# Altium PCB Time4CM4_Modular.PcbDoc (part 1 of 2)
Units mil, origin at the board's own origin, x right, y up, seen from the top; angles counter-clockwise.
Board outline 2171 x 2100.88 mil, 4 copper layers (Top Layer, Int1 (GND), Int2 (PWR), Bottom Layer), stack 61.418 mil thick; 36 components, 160 nets, 586 pads, 420 vias.
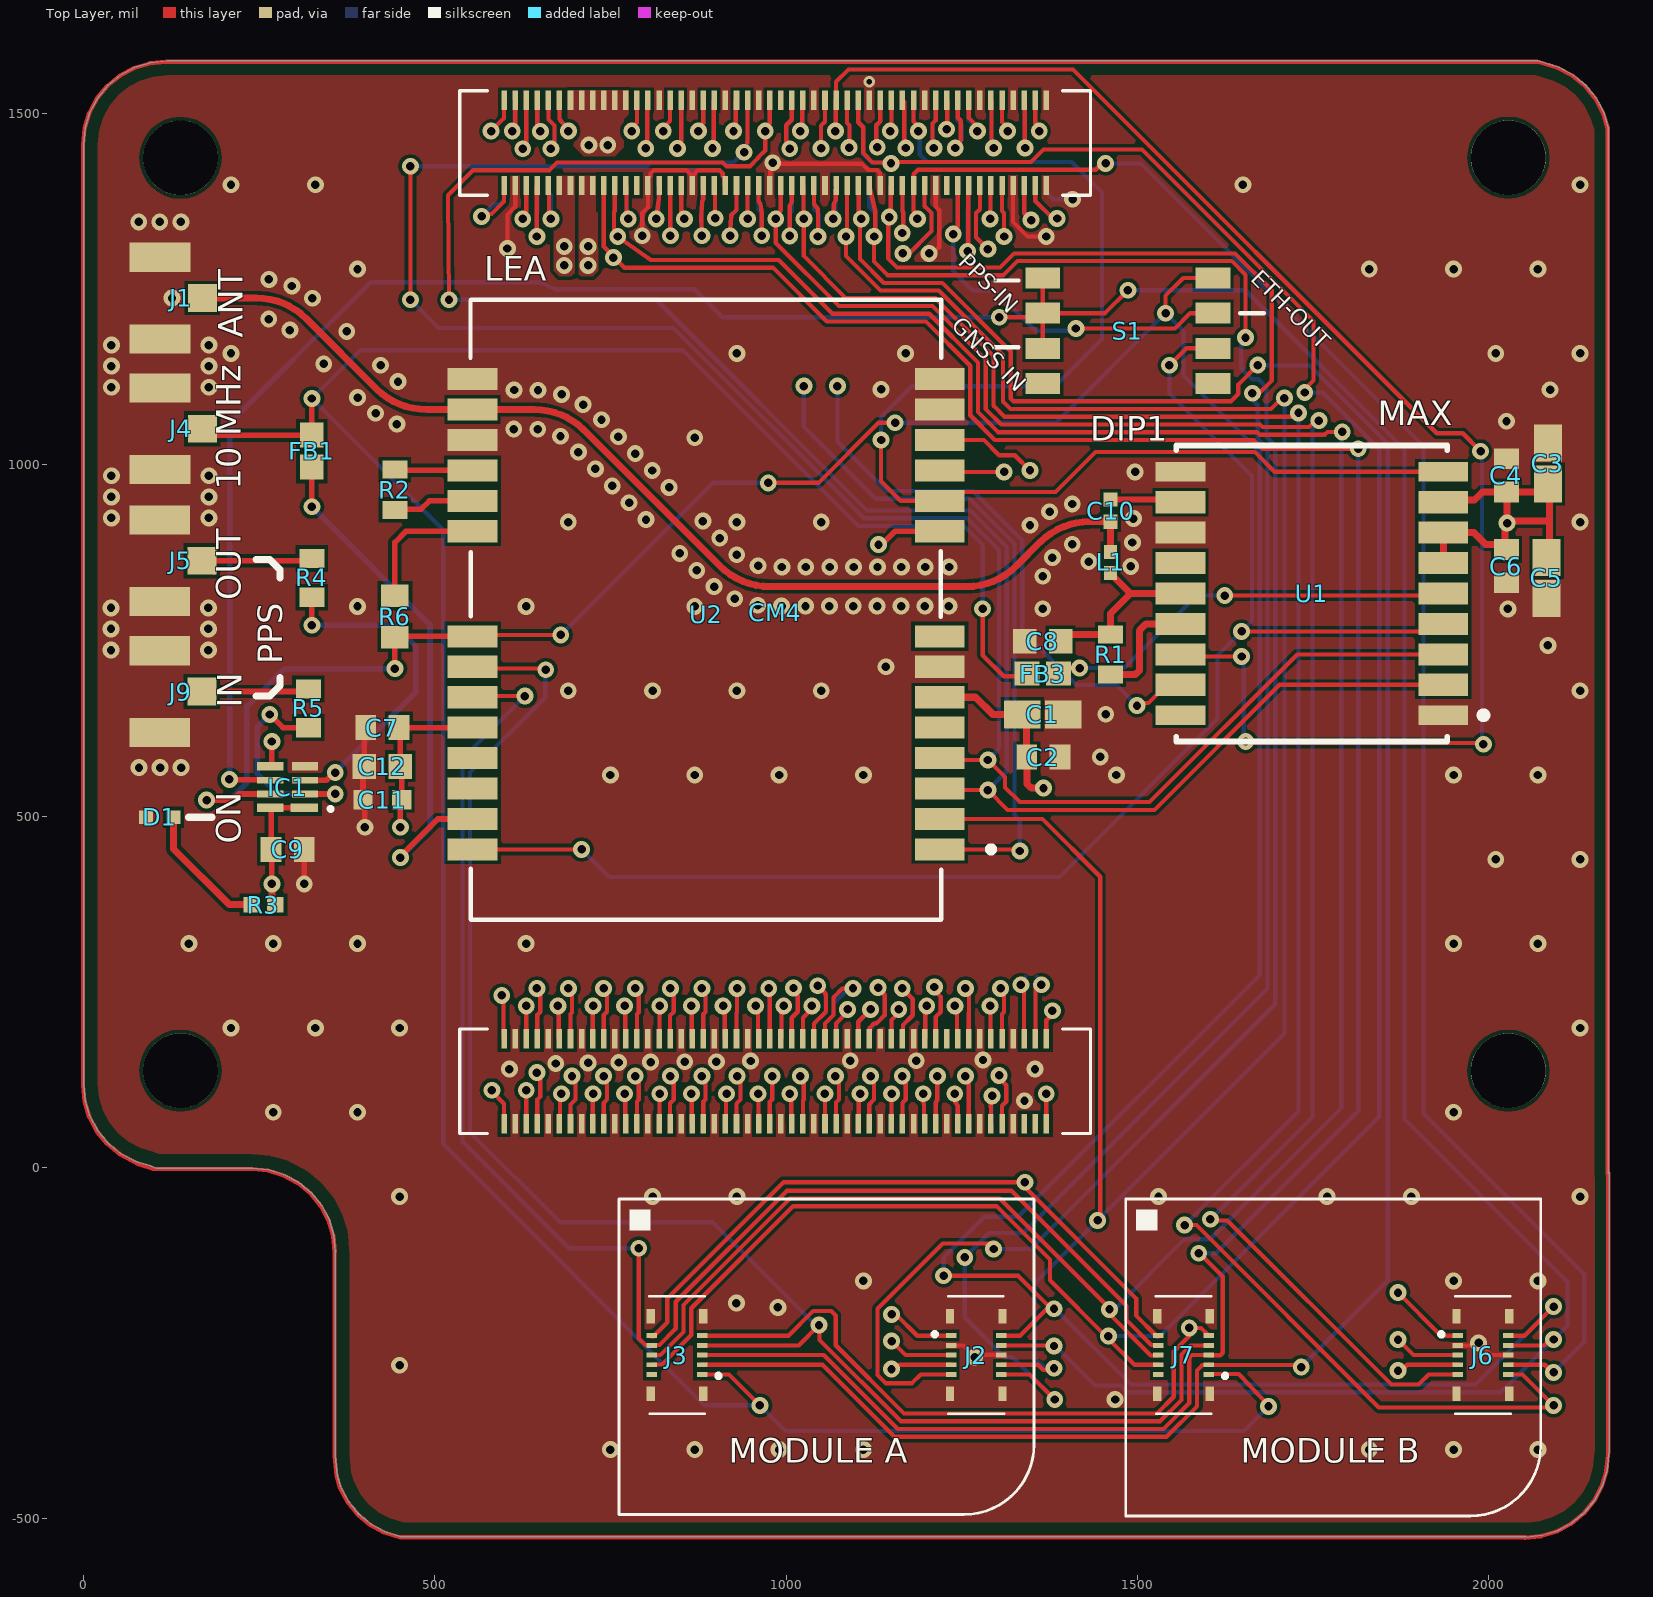
[diagram p0: Top Layer view]
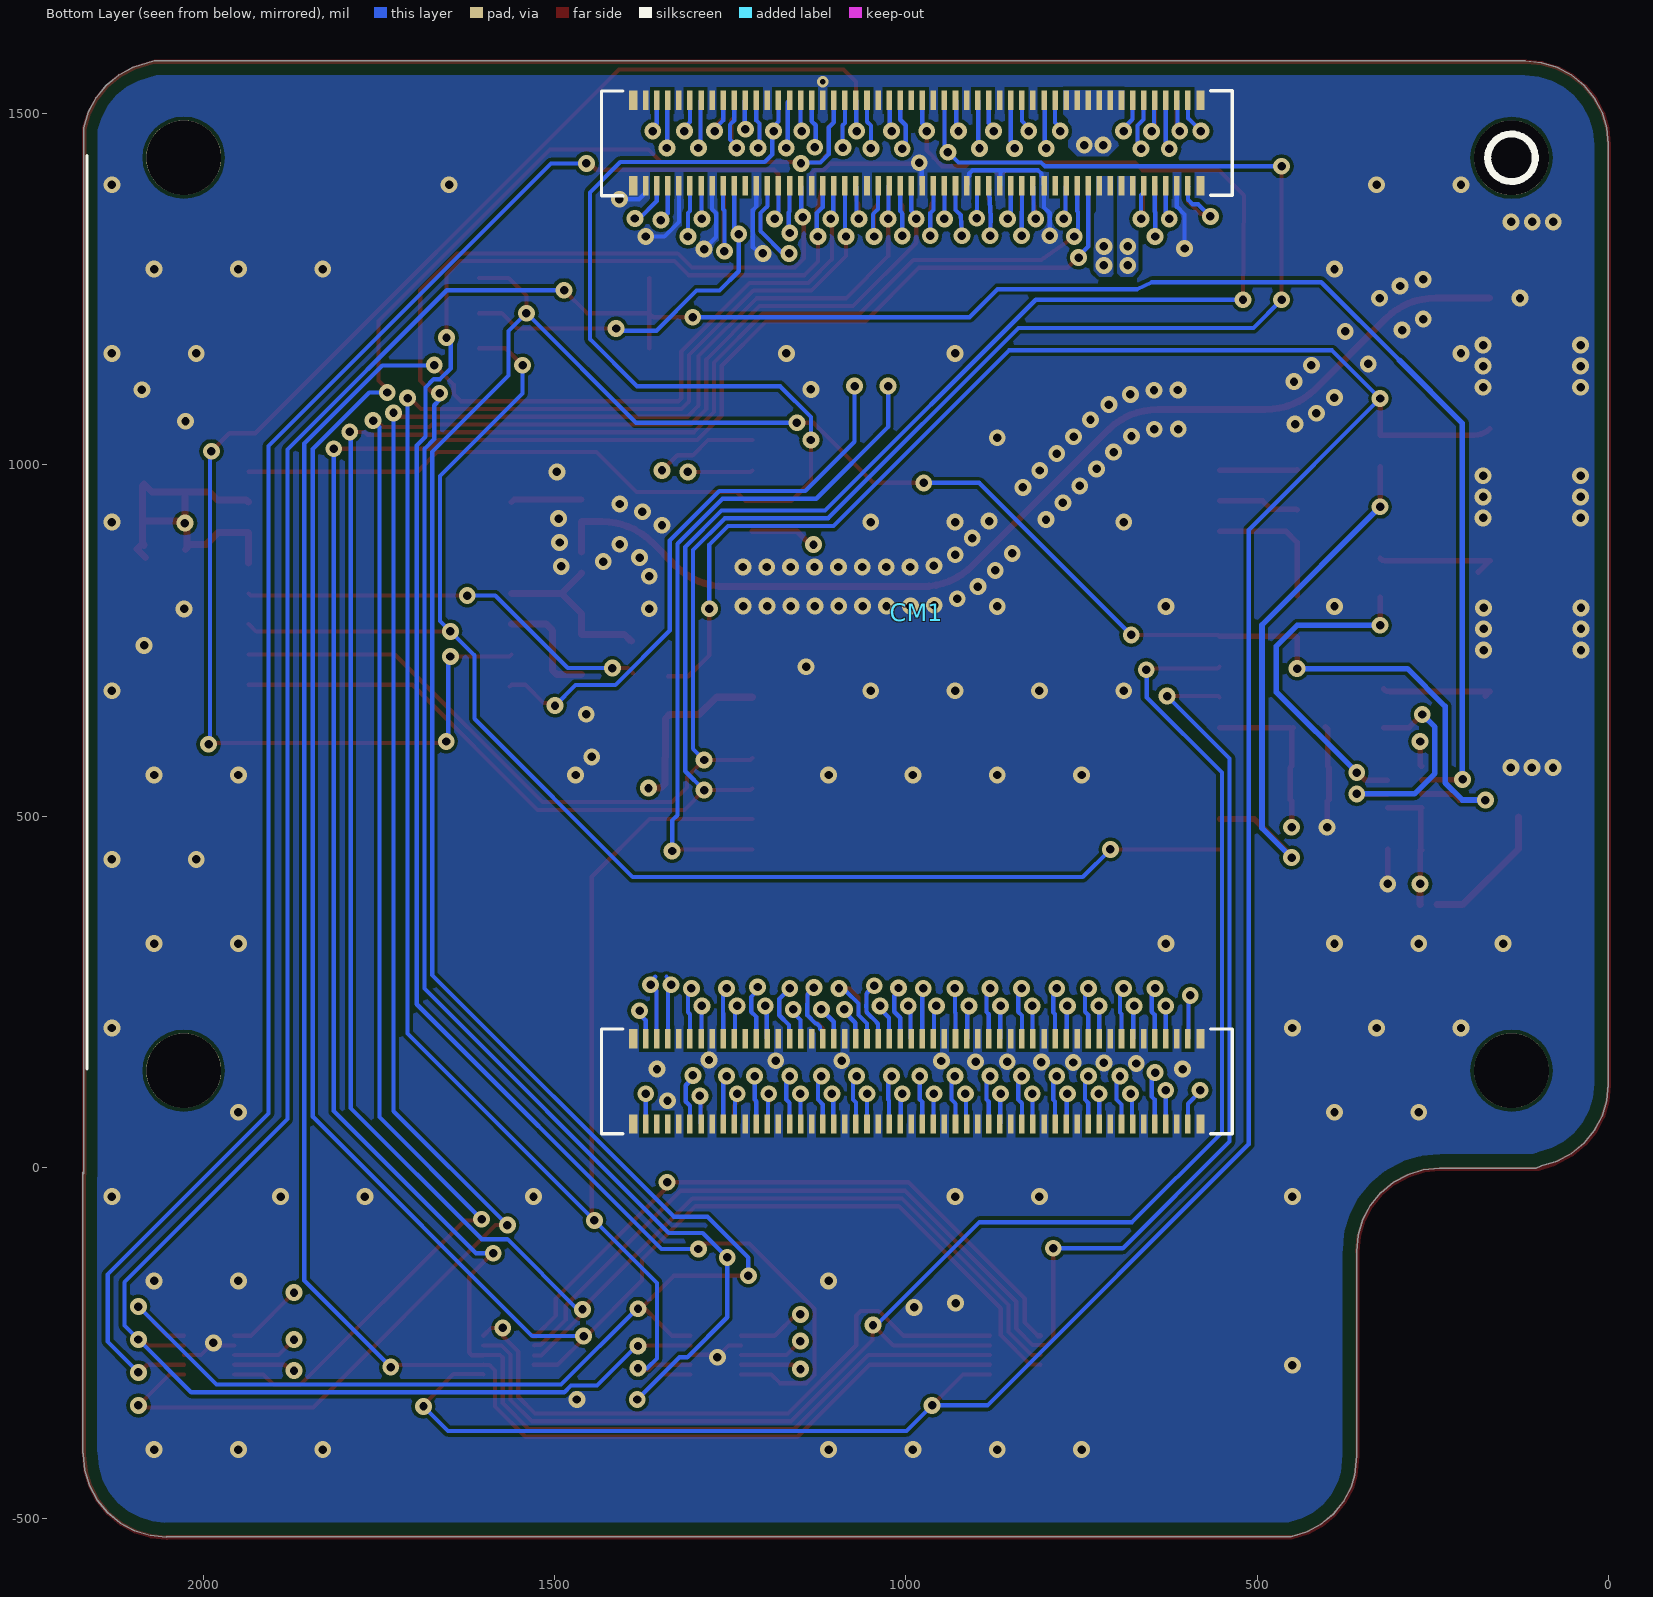
[diagram p1: Bottom Layer view, seen from below]
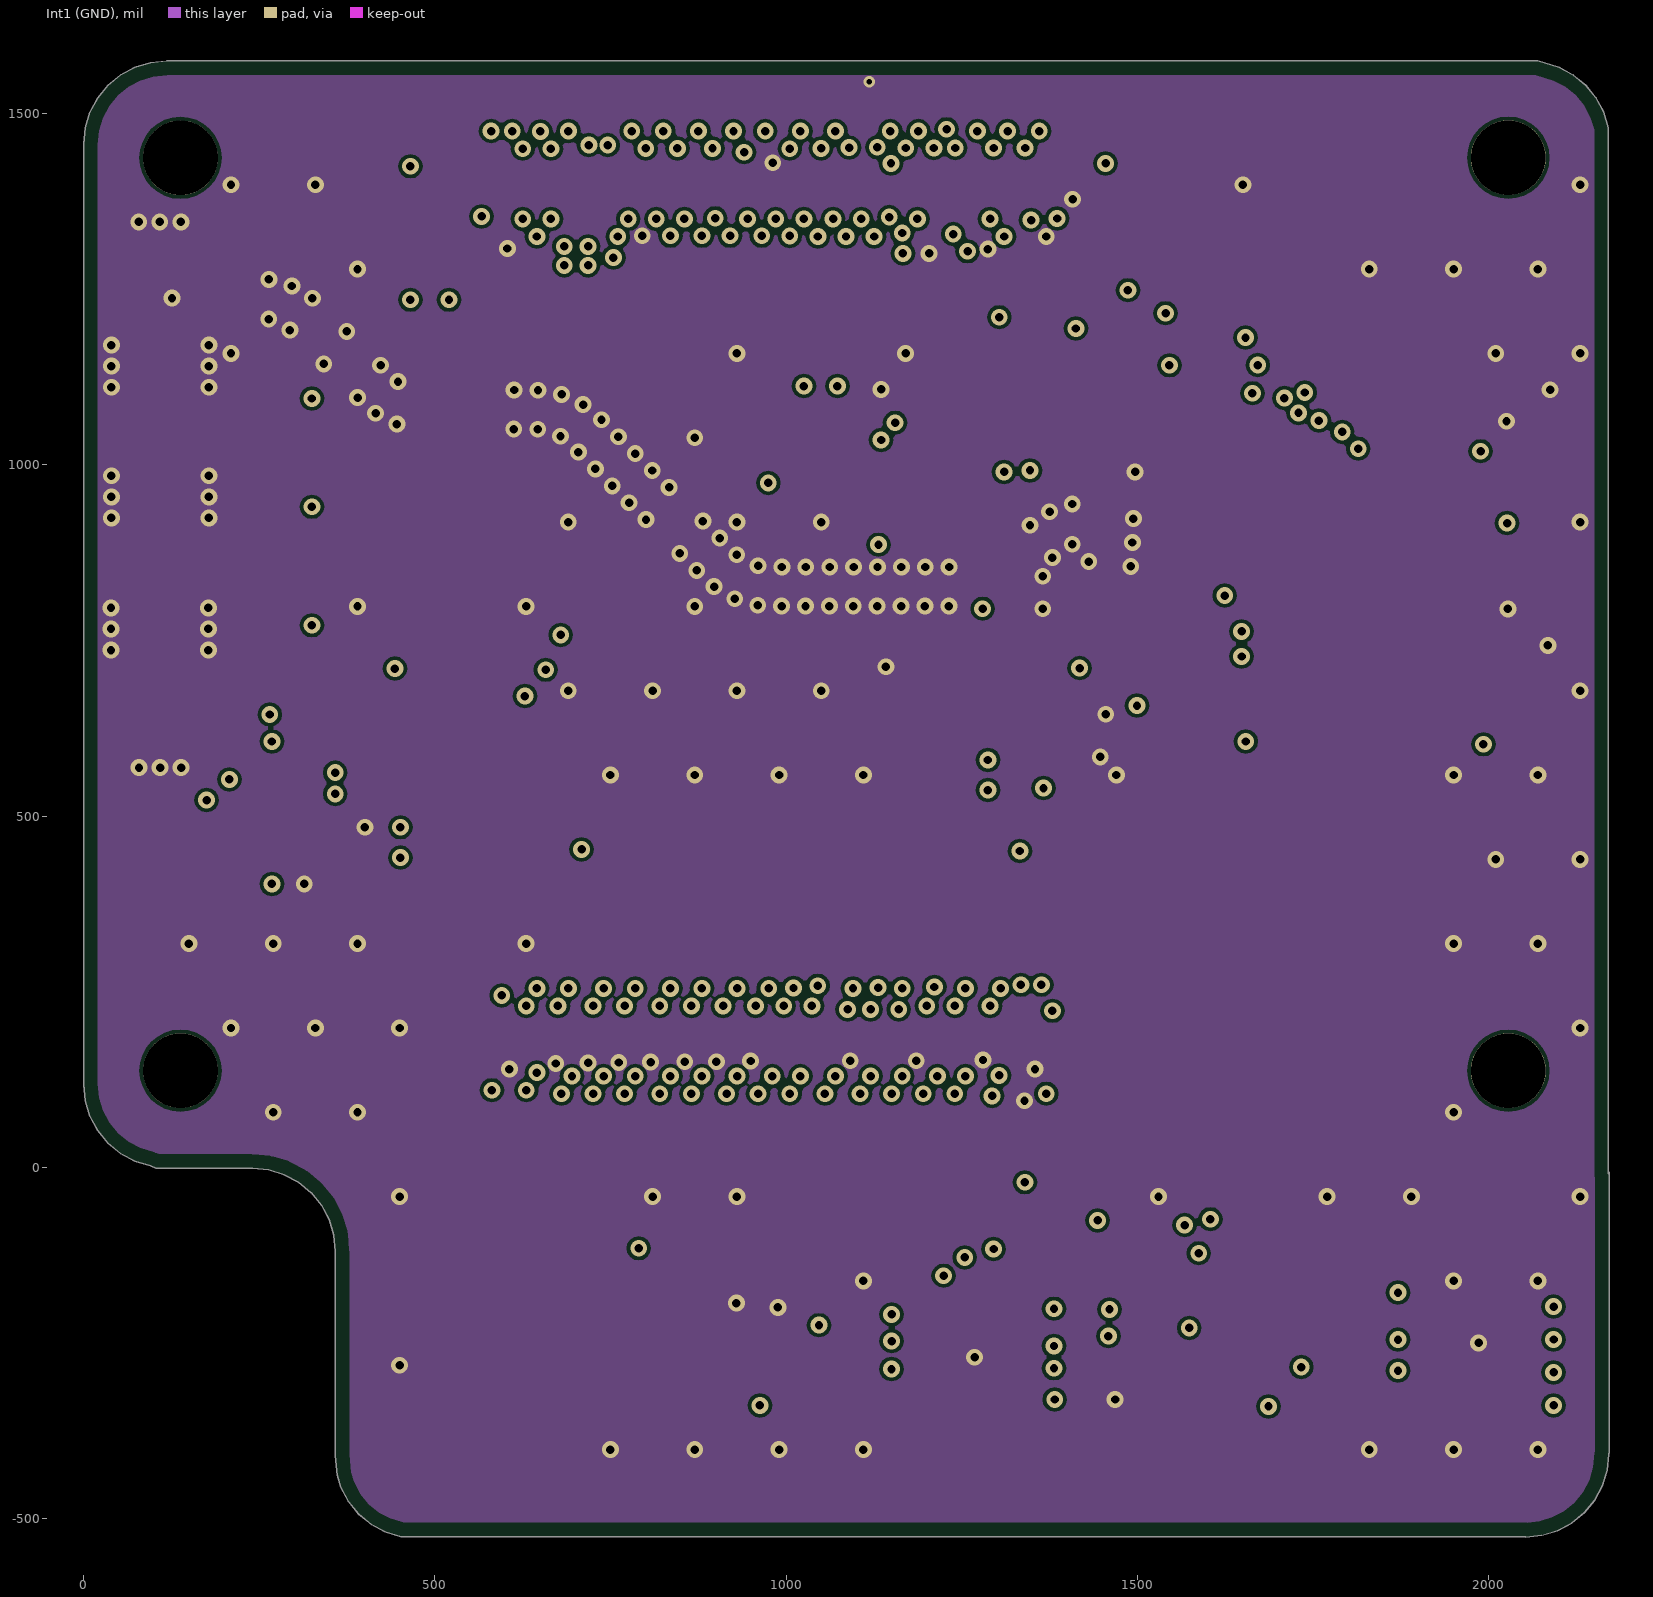
[diagram p2: Int1 (GND)]
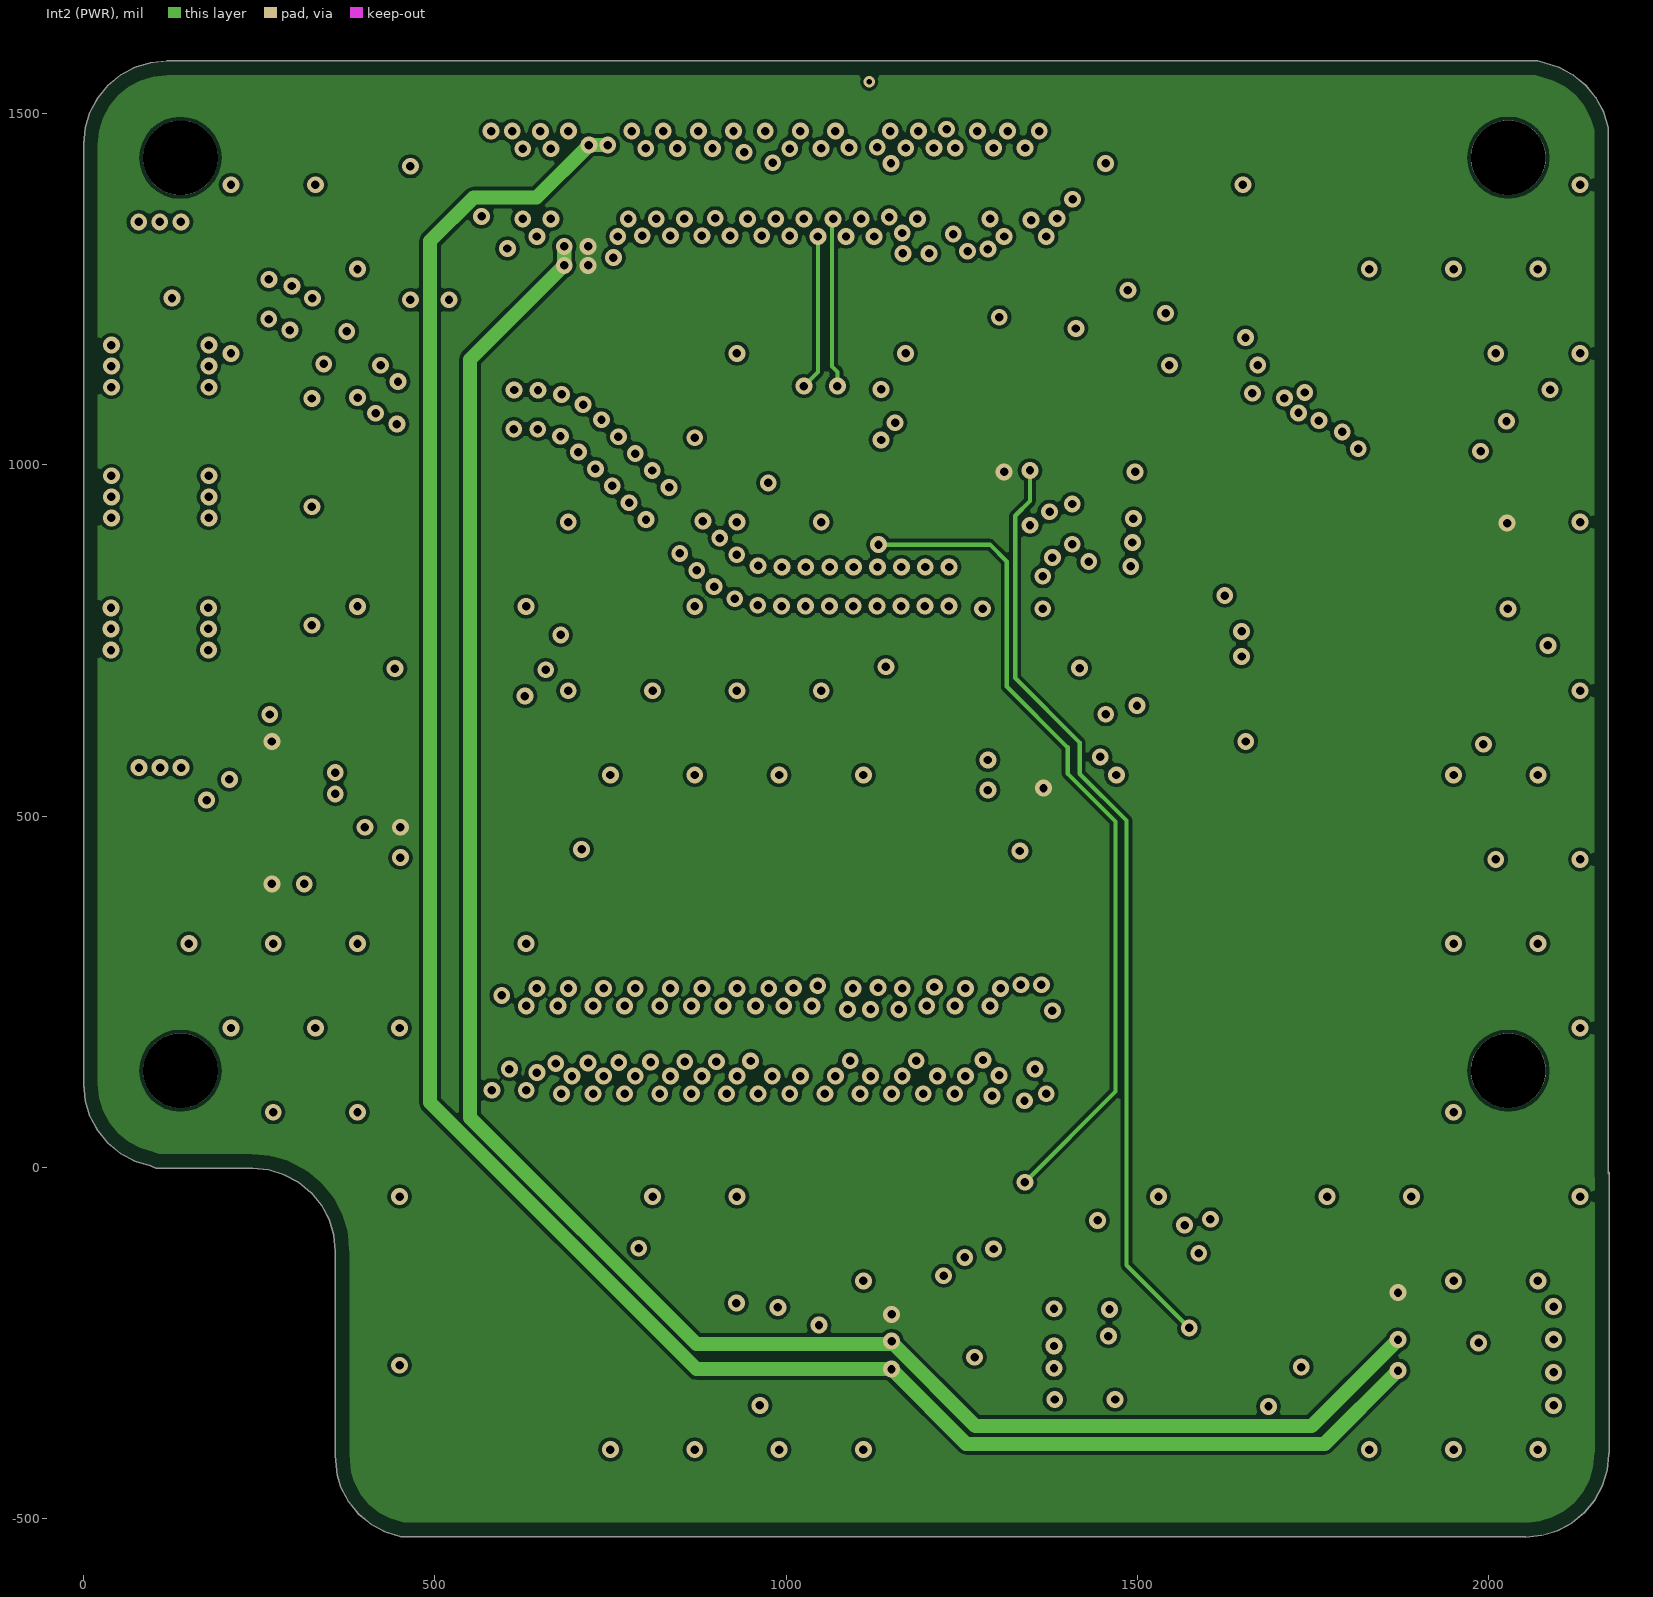
[diagram p3: Int2 (PWR)]
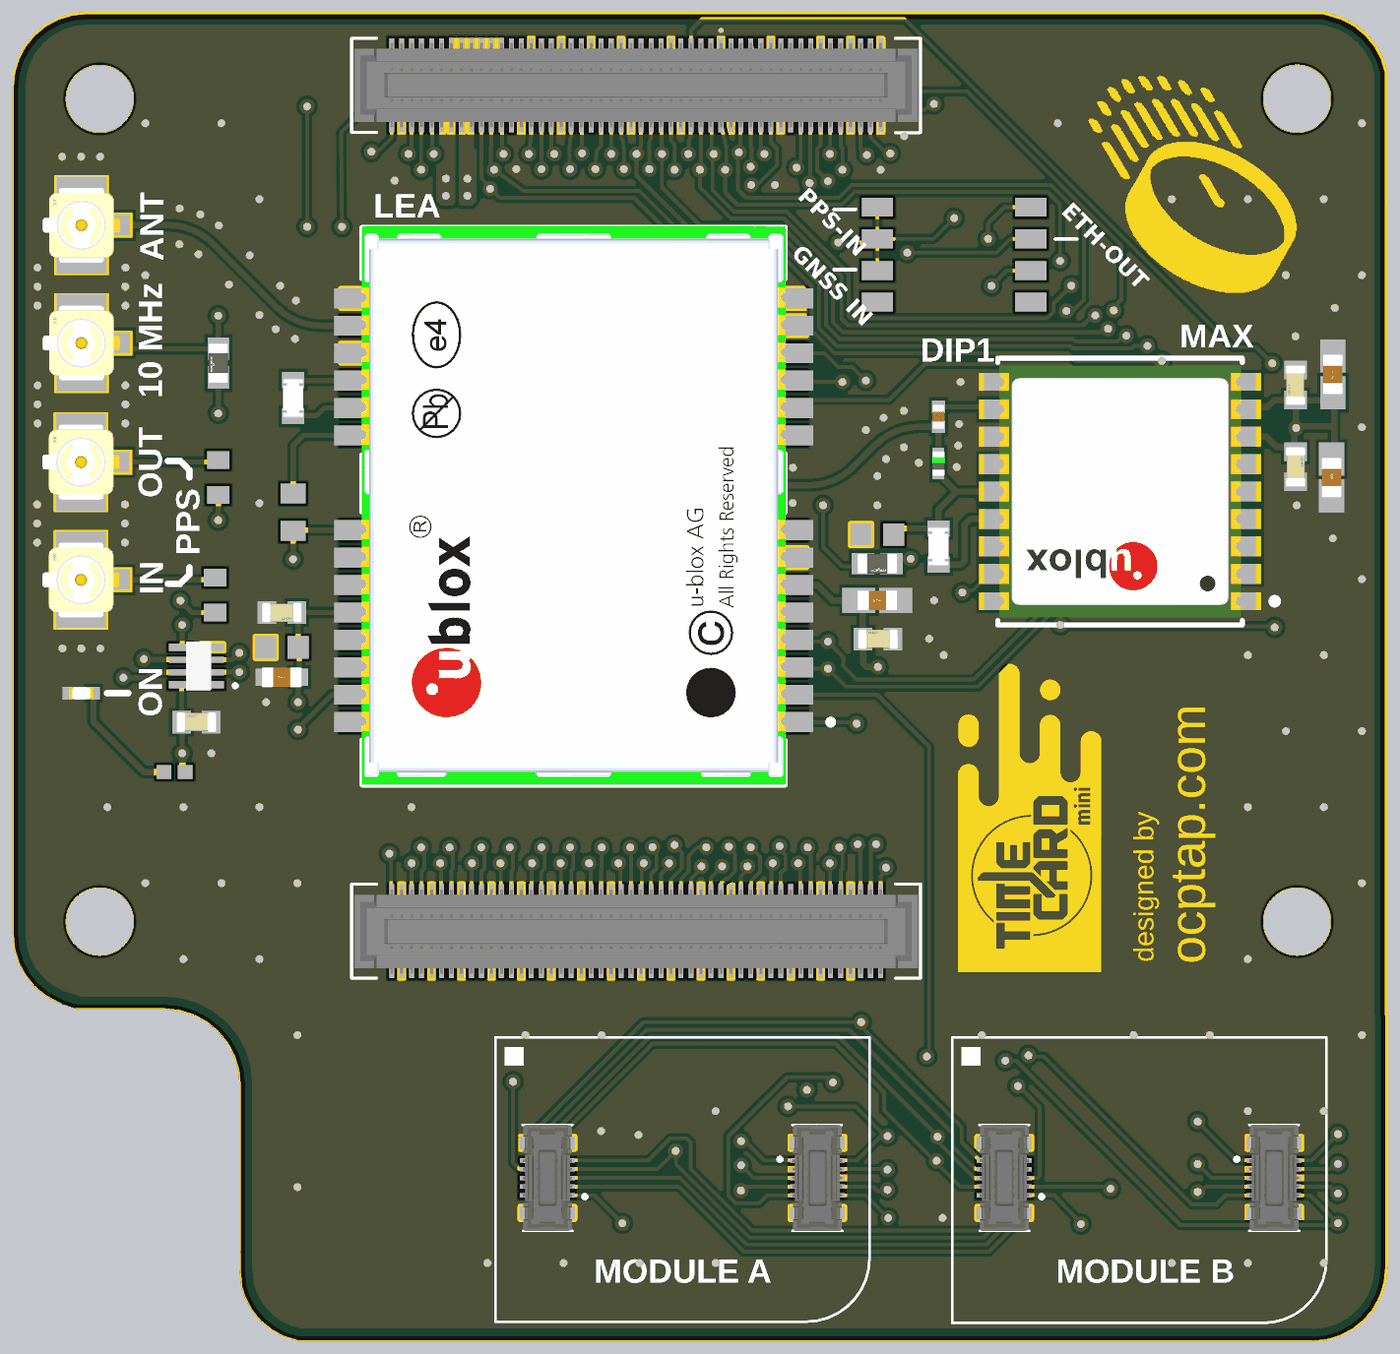
[diagram p5: 3D render of the assembled board from above, using the file's embedded part models]

## Layer stack, top to bottom
Top Solder: solder mask 1, SM-001, Dk 4
Top Layer: signal copper 1.378
Dielectric 1: prepreg 2.1654, PP-017, Dk 4.3
Dielectric 2: prepreg 2.1654, PP-017, Dk 4.3
Int1 (GND): signal copper 1.378
Dielectric 3: core 47.244, Core-039, Dk 4.8
Int2 (PWR): signal copper 1.378
Dielectric 4: prepreg 2.1654, PP-017, Dk 4.3
Dielectric 5: prepreg 2.1654, PP-017, Dk 4.3
Bottom Layer: signal copper 1.378
Bottom Solder: solder mask 1, SM-001, Dk 4

## Board outline
72.91,8.99 95.07,2.27 103,-1 240.27,-0.93 240.27,-1.2 263.31,-3.47 285.47,-10.19 305.89,-21.1 323.78,-35.79 338.47,-53.69 349.39,-74.11 356.11,-96.27 358.38,-119.31 358,-119.31 358,-409.89 360.75,-437.82 365.99,-455.09 376.91,-475.51 391.59,-493.41 409.49,-508.1 428.62,-518.32 451.64,-525.3 2052.27,-525.3 2052.27,-526 2075.31,-523.73 2097.47,-517.01 2117.89,-506.1 2135.78,-491.41 2150.47,-473.51 2161.39,-453.09 2168.11,-430.93 2170.38,-407.89 2171,-405.58 2171,-7 2170.11,-8.62 2170.11,1479.73 2163.39,1501.89 2152.47,1522.31 2137.78,1540.21 2119.89,1554.9 2099.47,1565.81 2069.57,1574.88 2069.57,1574.8 118.11,1574.8 95.07,1572.53 72.91,1565.81 52.49,1554.9 34.59,1540.21 19.91,1522.31 8.99,1501.89 2.27,1479.73 0,1456.69 0,118.11 2.27,95.07 8.99,72.91 19.91,52.49 34.59,34.59 52.49,19.9

## Design rules (kind name [scope] priority, off if disabled: settings)
BoardOutlineClearance BoardOutlineClearance_Polygon [IsPolygon] p1: gap=20 ignorepadtopadclearanceinfootprint=FALSE
Clearance [All] p1: gap=5 ignorepadtopadclearanceinfootprint=FALSE
DiffPairsRouting [All] p1: maxlimit=10 minlimit=10 mostfreqgap=10 toplayer_minwidth=6 toplayer_maxwidth=6 toplayer_prefwidth=6 midlayer1_minwidth=15 midlayer1_maxwidth=15 midlayer1_prefwidth=15 midlayer2_minwidth=15 midlayer2_maxwidth=15 midlayer2_prefwidth=15 bottomlayer_minwidth=6 bottomlayer_maxwidth=6 bottomlayer_prefwidth=6 maxuncoupledlength=500
HoleSize [All] p1: absolutevalues=TRUE maxlimit=120 minlimit=6 maxpercent=80.000 minpercent=20.000
PlaneClearance [All] p1: clearance=8
PlaneConnect [All] p1: planeconnectstyle=Direct reliefexpansion=20 reliefentries=4 reliefconductorwidth=10 reliefairgap=10
PolygonConnect [All] p1: connectstyle=Direct reliefconductorwidth=10 reliefentries=4 polygonreliefangle="90 Angle" airgapwidth=10
RoutingVias [All] p1: holewidth=6 width=20 viastyle="Through Hole" minholewidth=6 minwidth=10 maxholewidth=50 maxwidth=100
SolderMaskExpansion [All] p1: expansion=4 istentingtop=FALSE
Width [All] p1: maxlimit=150 minlimit=6 preferedwidth=10
26 further rules are at their usual default settings.

## Classes and differential pairs
net class Modular_BO_Nets: 1V8 3V3 5V 10MHz GND GNSS_RF_IN GPIO_0 GPIO_1 GPIO_5 GPIO_6 GPIO_11 GPIO_17 GPIO_19 GPIO_22 GPIO_44 GPIO_45 NetD1_2 PPS PPS_IN PPS_IN_BUFFER PPS_IN_UFL PPS_OUT_BUFFER PPS_OUT_UFL REF_FREQ_OUT SCL_DAC_BUS SDA_DAC_BUS TP2
net class GNSS_Nets: 3V3 10MHz ETH_SYNC_OUT GND GNSS_RESET GNSS_RF_IN GPIO_8 GPIO_9 GPIO_10 GPIO_11 LEA_EXTINT0 LEA_V_ANT LEA_VCC_RF MAX_EXTINT MAX_V_ANT MAX_VCC_RF NetC10_1 NetU1_13 NetU1_16 NetU1_17 NetU1_18 NetU2_1 NetU2_2 NetU2_5 NetU2_8 NetU2_9 NetU2_12 NetU2_21 NetU2_22 NetU2_23 NetU2_24 NetU2_25 NetU2_26 PPS PPS_IN PPS_IN_ALT PPS_OUT_GNSS REF_FREQ_OUT SCL_DAC_BUS SDA_DAC_BUS TP2 UART_RX UART_TX
net class CM4_IO_Conn_Nets: 1V8 3V3 5V ANAIP_0 ANAIP_1 BT_DIS CM0_C_N CM0_C_P CM0_D0_N CM0_D0_P CM0_D1_N CM0_D1_P CM1_C_N CM1_C_P CM1_D0_N CM1_D0_P CM1_D1_N CM1_D1_P CM1_D2_N CM1_D2_P CM1_D3_N CM1_D3_P CM_GPIOx DSI0_C_N DSI0_C_P DSI0_D0_N DSI0_D0_P DSI0_D1_N DSI0_D1_P DSI1_C_N DSI1_C_P DSI1_D0_N DSI1_D0_P DSI1_D1_N DSI1_D1_P DSI1_D2_N DSI1_D2_P DSI1_D3_N DSI1_D3_P ETH_LED1 ETH_LED2 ETH_LED3 ETH_PAIR0_N ETH_PAIR0_P ETH_PAIR1_N ETH_PAIR1_P ETH_PAIR2_N ETH_PAIR2_P ETH_PAIR3_N ETH_PAIR3_P ETH_SYNC_IN ETH_SYNC_OUT GLOBAL_EN GND GNSS_RESET GPIO_0 GPIO_1 GPIO_2 GPIO_3 GPIO_4 GPIO_5 GPIO_6 GPIO_7 GPIO_8 GPIO_9 GPIO_10 GPIO_11 GPIO_12 GPIO_13 GPIO_16 GPIO_17 GPIO_19 GPIO_20 GPIO_22 GPIO_23 GPIO_24 GPIO_25 GPIO_26 GPIO_27 GPIO_44 GPIO_45 GPIO_VREF HDMI0_CEC HDMI0_CLK_N HDMI0_CLK_P HDMI0_HP HDMI0_SCL HDMI0_SDA HDMI0_TX0_N HDMI0_TX0_P HDMI0_TX1_N HDMI0_TX1_P HDMI0_TX2_N HDMI0_TX2_P HDMI1_CEC HDMI1_CLK_N HDMI1_CLK_P HDMI1_HP HDMI1_SCL HDMI1_SDA HDMI1_TX0_N HDMI1_TX0_P HDMI1_TX1_N HDMI1_TX1_P HDMI1_TX2_N HDMI1_TX2_P LED_ACT LED_PWR NetCM1_20 NetCM1_49 NetCM1_76 NetCM1_104 NetCM1_106 NetCM1_119 nEXTRST nRPIBOOT PCIe_CLK_N PCIe_CLK_nREQ PCIe_CLK_P PCIe_nRST PCIe_RX_N PCIe_RX_P PCIe_TX_N PCIe_TX_P RUN_PG SD_CLK SD_CMD SD_DAT0 SD_DAT1 SD_DAT2 SD_DAT3 SD_DAT4 SD_DAT5 SD_DAT6 SD_DAT7 SD_PWR_ON SD_VDD_OR UART_RX UART_TX USB_N USB_OTG USB_P VDAC_COMP WL_DIS
net class CM4_Conn_Nets: 1V8 3V3 5V ANAIP_0 ANAIP_1 BT_DIS CM0_C_N CM0_C_P CM0_D0_N CM0_D0_P CM0_D1_N CM0_D1_P CM1_C_N CM1_C_P CM1_D0_N CM1_D0_P CM1_D1_N CM1_D1_P CM1_D2_N CM1_D2_P CM1_D3_N CM1_D3_P CM_GPIOx DSI0_C_N DSI0_C_P DSI0_D0_N DSI0_D0_P DSI0_D1_N DSI0_D1_P DSI1_C_N DSI1_C_P DSI1_D0_N DSI1_D0_P DSI1_D1_N DSI1_D1_P DSI1_D2_N DSI1_D2_P DSI1_D3_N DSI1_D3_P ETH_LED1 ETH_LED2 ETH_LED3 ETH_PAIR0_N ETH_PAIR0_P ETH_PAIR1_N ETH_PAIR1_P ETH_PAIR2_N ETH_PAIR2_P ETH_PAIR3_N ETH_PAIR3_P ETH_SYNC_IN ETH_SYNC_OUT GLOBAL_EN GND GNSS_RESET GPIO_0 GPIO_1 GPIO_2 GPIO_3 GPIO_4 GPIO_5 GPIO_6 GPIO_7 GPIO_8 GPIO_9 GPIO_10 GPIO_11 GPIO_12 GPIO_13 GPIO_16 GPIO_17 GPIO_19 GPIO_20 GPIO_22 GPIO_23 GPIO_24 GPIO_25 GPIO_26 GPIO_27 GPIO_44 GPIO_45 GPIO_VREF HDMI0_CEC HDMI0_CLK_N HDMI0_CLK_P HDMI0_HP HDMI0_SCL HDMI0_SDA HDMI0_TX0_N HDMI0_TX0_P HDMI0_TX1_N HDMI0_TX1_P HDMI0_TX2_N HDMI0_TX2_P HDMI1_CEC HDMI1_CLK_N HDMI1_CLK_P HDMI1_HP HDMI1_SCL HDMI1_SDA HDMI1_TX0_N HDMI1_TX0_P HDMI1_TX1_N HDMI1_TX1_P HDMI1_TX2_N HDMI1_TX2_P LED_ACT LED_PWR NetCM4_20 NetCM4_49 NetCM4_76 NetCM4_104 NetCM4_106 NetCM4_119 nEXTRST nRPIBOOT PCIe_CLK_N PCIe_CLK_nREQ PCIe_CLK_P PCIe_nRST PCIe_RX_N PCIe_RX_P PCIe_TX_N PCIe_TX_P RUN_PG SD_CLK SD_CMD SD_DAT0 SD_DAT1 SD_DAT2 SD_DAT3 SD_DAT4 SD_DAT5 SD_DAT6 SD_DAT7 SD_PWR_ON SD_VDD_OR UART_RX UART_TX USB_N USB_OTG USB_P VDAC_COMP WL_DIS
component class CM4_IO_Conn: CM1
net class RF: 10MHz GNSS_RF_IN
component class Modular_BO: C9 D1 IC1 J1 J2 J3 J4 J5 J6 J7 J9 R3 R4 R5
component class GNSS: C1 C2 C3 C4 C5 C6 C7 C8 C10 C11 C12 FB1 FB3 L1 R1 R2 R6 S1 U1 U2
component class CM4_Conn: CM4
